# Altium PCB 400150.PcbDoc (part 2 of 3) (continued)
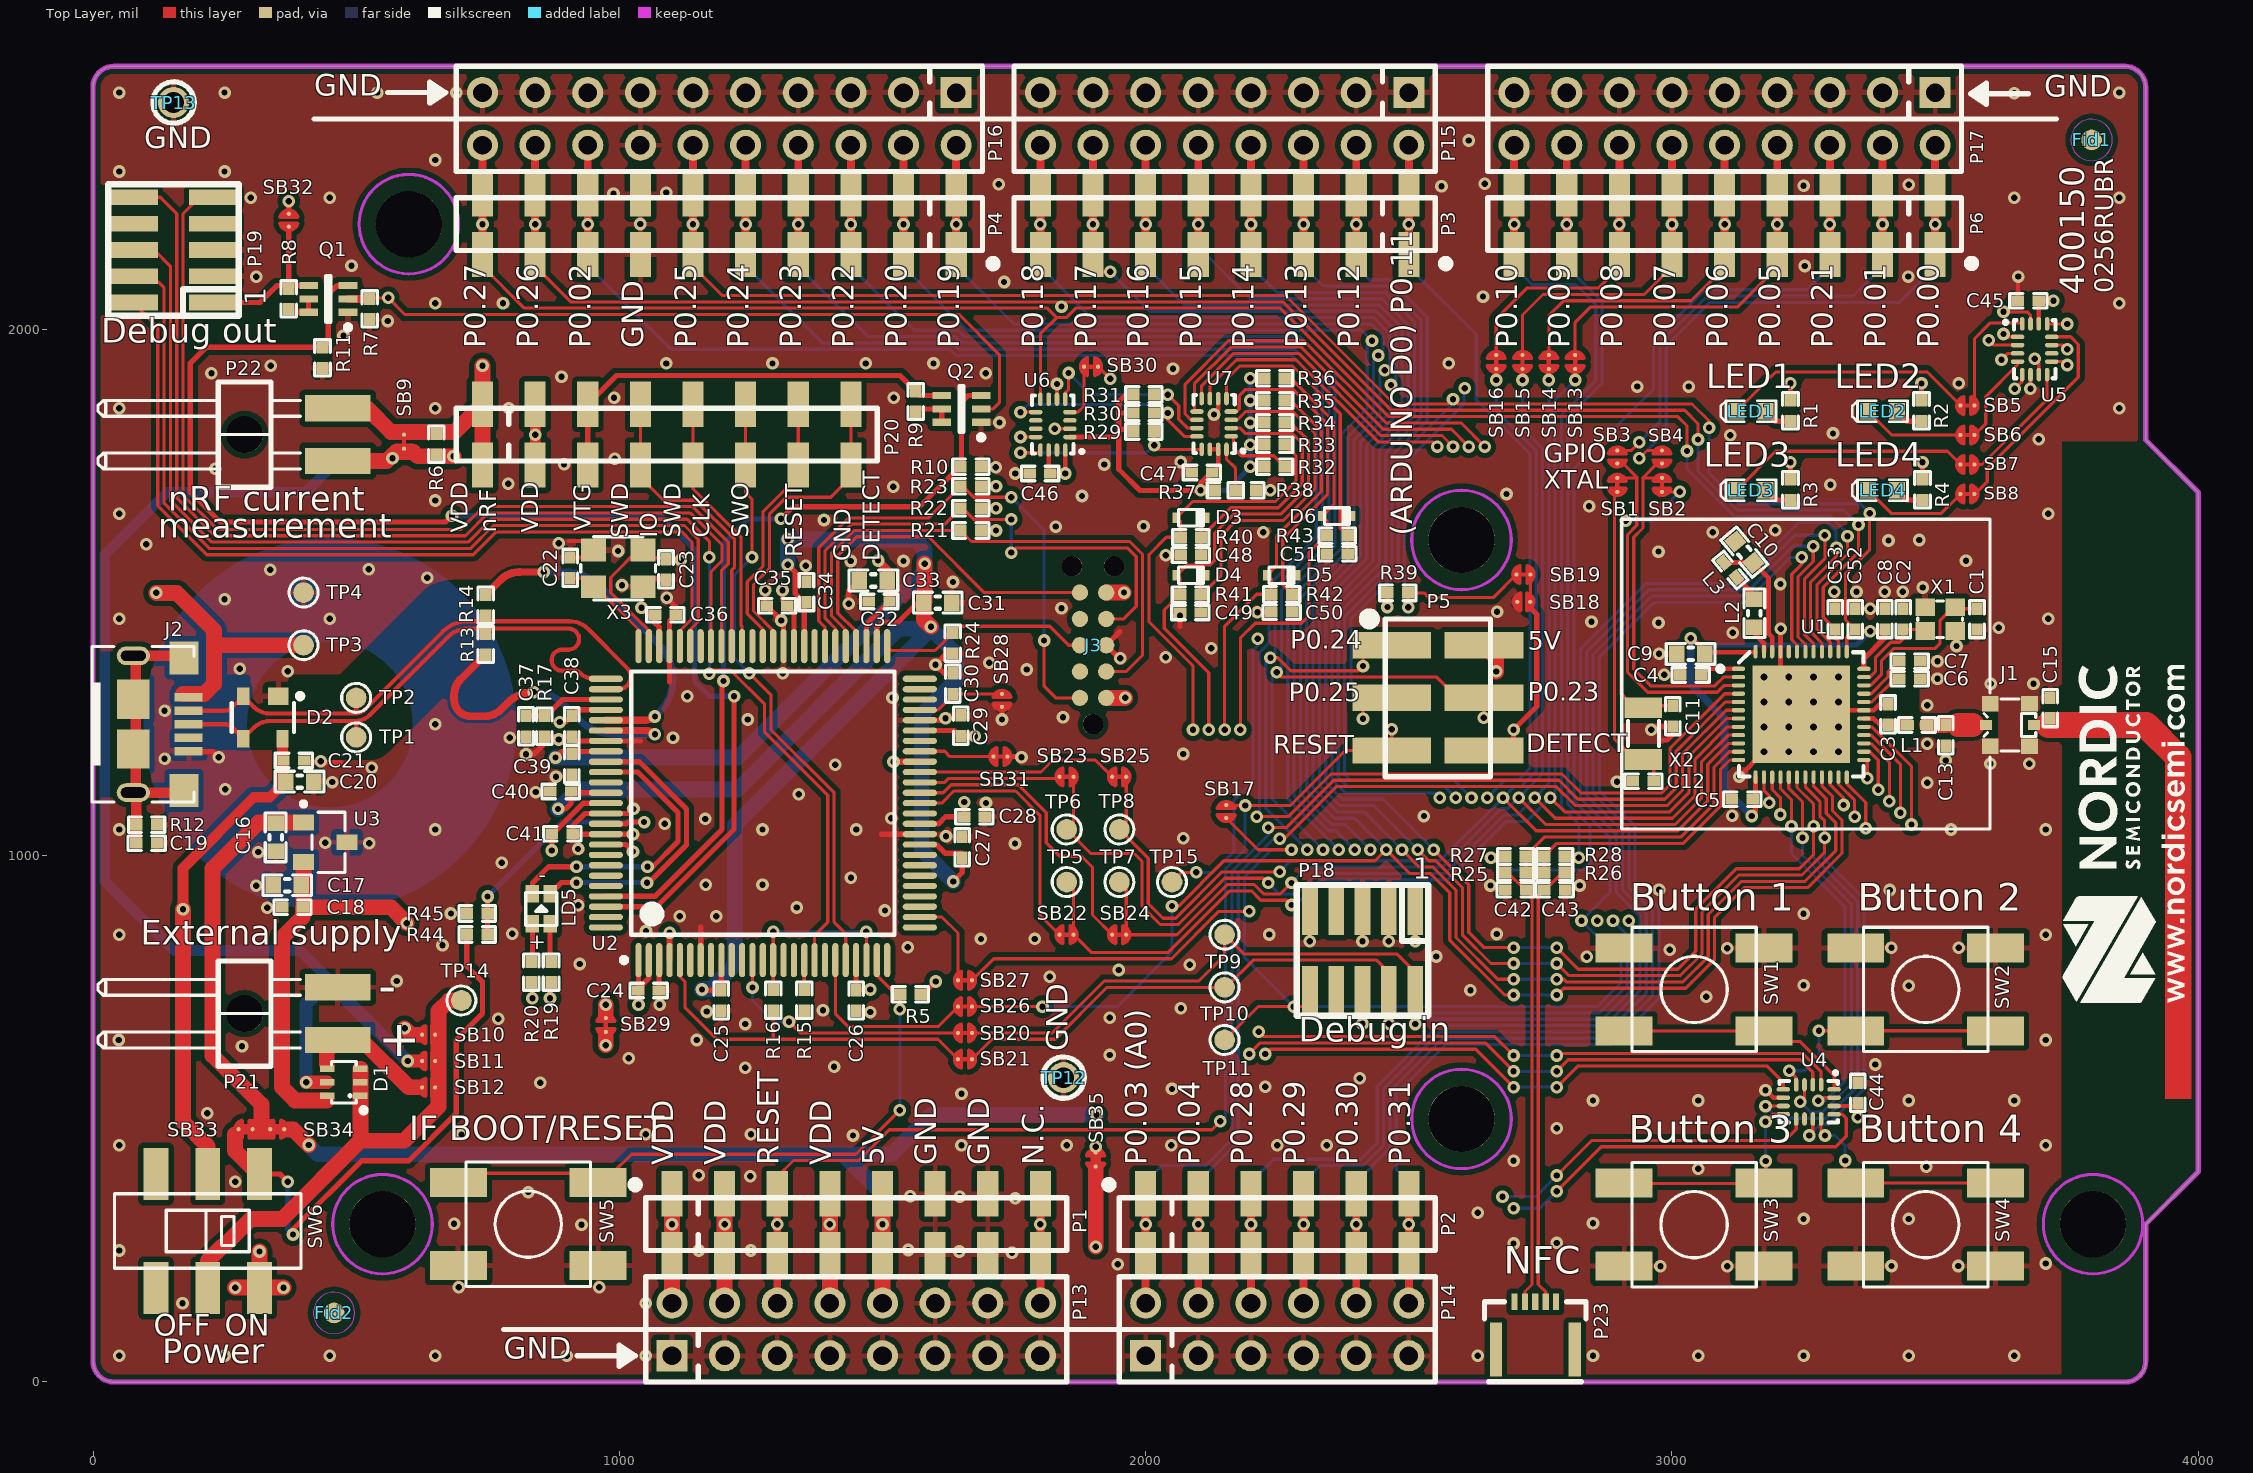
[diagram p0: Top Layer view]
## Nets (pads, with @x,y where several pads share a name; then routed paths per layer and width w, separated by ;. In a path a pad name is that pad's centre, name@x,y a point inside that pad or via, vN(x,y) a via of type N, cw(c..) or ccw(c..) an arc to the next point about the centre after c; other vN are vias at no path point) (continued)
  Bottom Layer w6: v1(1744.69,1680.6) 1807,1618.29 v1(1807,1408.6)
IMCU_RTS: SB24.2 U2.39 | length 576.5
  Top Layer w6: U2.39@1570.83,1119.28 1615.26,1119.28 1630.63,1134.65 1758,1134.65 1811.05,1081.59 1811.05,1024.55 1837,998.6 1878,998.6 1899,977.6 1899,887.01 SB24.2@1936.4,849.6
IMCU_RxD: SB23.2 U2.40 | length 268.7
  Top Layer w6: U2.40@1570.83,1138.97 1617.98,1138.97 1625.66,1146.65 SB23.2@1836.4,1146.65
IMCU_TCKS: J3.4 R22.1 U2.56 | length 1057.3
  Top Layer w6: U2.56@1410.4,1397.83 1410.4,1431.3 1391,1450.7 1391,1579.54 1441.06,1629.6 1618.16,1629.6 R22.1@1648.16,1659.6 1652.16,1659.6 1673.16,1638.6 v1(1744.69,1638.6) ; v1(1744.69,1575.6) 1753.69,1584.6 1965.03,1584.6 1982,1567.63 1982,1473.6 1958,1449.6 J3.4@1925,1449.6
  Bottom Layer w6: v1(1744.69,1575.6) v1(1744.69,1638.6)
IMCU_TDIS: J3.8 R24.1 U2.51 | length 403.5
  Top Layer w6: U2.51@1508.83,1397.83 1517.05,1389.6 1599.92,1389.6 R24.1@1633.61,1423.28 1645.92,1435.6 1818,1435.6 1854,1399.6 J3.8@1875,1399.6
IMCU_TDOS: J3.6 U2.54 | length 705
  Top Layer w6: U2.54@1449.77,1397.83 1449.77,1425.87 1415,1460.64 1415,1569.6 1451,1605.6 1587.48,1605.6 1693.48,1499.6 J3.6@1875,1499.6
IMCU_TMSS: J3.2 R21.1 U2.55 | length 1089.2
  Top Layer w6: U2.55@1430.09,1397.83 1430.09,1428.59 1403,1455.67 1403,1574.57 1446.03,1617.6 R21.1@1648.16,1617.6 1669.16,1596.6 1969.84,1596.6 ; J3.2@1925,1349.6 1963,1349.6 1994,1380.6 1994,1572.6 1969.92,1596.68
IMCU_TxD: SB25.2 U2.41 | length 388.3
  Top Layer w6: U2.41@1570.83,1158.65 1801.05,1158.65 1824,1181.6 1904.4,1181.6 SB25.2@1936.4,1149.6
INT_EXT: R31.1 U6.5 U7.11 | length 380.4
  Top Layer w6: U6.5@1847.24,1867 1847.24,1879.24 1853.52,1885.52 v1(1853.52,1916.77) ; R31.1@2016.31,1875.77 v1(2041.94,1875.77) 2062.94,1854.77 2062.94,1829 2079.81,1812.13 U7.11@2097.45,1812.13
  Bottom Layer w6: v1(1853.52,1916.77) 1894.52,1875.77 v1(2041.94,1875.77)
IOEXP_IRQ: SB30.2 U6.4 | length 106.3
  Top Layer w6: U6.4@1856.1,1842.39 1871.14,1842.39 1882.92,1854.17 SB30.2@1882.92,1928.77
LED1': SB5.1 U5.16 | length 229.6
  Top Layer w6: SB5.1@3574.5,1855 3574.5,1981.5 3605,2012 U5.16@3665,2012
LED1_EXT: U5.1 U7.7 | length 1744.6
  Top Layer w6: U7.7@2122.06,1868.23 2122.06,1891.38 2172.68,1942 2285.71,1942 2441.71,1786 2545,1786 v1(2554,1777) ; v1(3629.94,1991) 3635.32,1985.62 U5.1@3656.52,1985.62
  Mid-Layer 2 w6: v1(2554,1777) 2636,1859 2812,1859 2911,1958 3612,1958 3629.75,1975.75 v1@3629.75,1989.07
LED2': SB6.1 U5.4 | length 173.4
  Top Layer w6: SB6.1@3574.5,1799 3596,1820.5 3596,1871.71 3656.52,1932.23 U5.4@3656.52,1938.38
LED2_EXT: U5.5 U7.8 | length 1795
  Top Layer w6: U7.8@2106.31,1868.23 2106.31,1892.63 2167.68,1954 2290.68,1954 2446.68,1798 2563,1798 v1(2584,1777) ; v1(3651,1887) 3665.38,1901.38 U5.5@3665.38,1913.77
  Mid-Layer 2 w6: v1(2584,1777) 2654,1847 2816.97,1847 2915.97,1946 3575.2,1946 3634.2,1887 v1(3651,1887)
LED3': SB7.1 U5.8 | length 236.5
  Top Layer w6: SB7.1@3574.5,1743 3589,1743 3712.62,1866.62 U5.8@3712.62,1913.77
LED3_EXT: U5.9 U7.9 | length 1992.5
  Top Layer w6: U7.9@2092.53,1843.77 2092.53,1896.23 2162.31,1966 2295.65,1966 2451.65,1810 2581,1810 v1(2614,1777) ; U5.9@3721.48,1938.38 3744.62,1938.38 v1(3751,1932)
  Mid-Layer 2 w6: v1(2614,1777) 2672,1835 2821.94,1835 2920.94,1934 3570.23,1934 3638.23,1866 3722,1866 3751,1895 v1(3751,1932)
LED4': SB8.1 U5.12 | length 422.4
  Top Layer w6: SB8.1@3575.46,1686.54 3599,1710.07 3599,1736.03 3772,1909.03 3772,1971 3757.38,1985.62 U5.12@3721.48,1985.62
LED4_EXT: U5.13 U7.10 | length 2163
  Top Layer w6: U7.10@2097.45,1827.87 2085.89,1827.87 2074.94,1838.82 2074.94,1895.63 2157.31,1978 2300.62,1978 2456.62,1822 2599,1822 v1(2644,1777) ; U5.13@3712.62,2010.23 v1@3750.77,2010.23
  Mid-Layer 2 w6: v1(2644,1777) 2690,1823 2826.91,1823 2925.91,1922 3565.26,1922 3633.26,1854 3726.97,1854 3772,1899.03 3772,1989 v1(3751,2010)
NetBat1_1: Bat1.1 D1.5 SB11.2 | length 2110.2
  Top Layer w25: v1(405,569.19) D1.5@445.01,569.19 ; v1(598,609.6) 618.53,609.6
  Bottom Layer w20: Bat1.1@449.9,763.38 393.69,819.6 154,819.6 22,951.6 22,1571.6 141,1690.6 404.68,1690.6 Bat1.1@449.9,1735.82
  Bottom Layer w25: v1(405,569.19) 405,718.48 449.9,763.38 449.9,757.7 v1(598,609.6)
NetC3_2: C3.2 L1.1 U1.30 | length 86.6
  Top Layer w9: U1.30@3364.56,1260.29 3383.26,1260.29 3395.46,1248.09 C3.2@3410.78,1248.09
  Top Layer w20: C3.2@3410.46,1248.29 L1.1@3445.78,1248.29
NetC11_2: C11.2 SB2.1 X2.1 | length 602.3
  Top Layer w6: v1(2912,1636) 2903.46,1627.46 2903.46,1307.54 2929.94,1281.06 X2.1@2945.61,1281.06 2949.08,1284.53 C11.2@3001.61,1284.53 ; SB2.1@2981,1691 v1(3015,1691)
  Bottom Layer w6: v1(2912,1636) 2960,1636 v1(3015,1691)
NetC12_2: C12.2 SB1.1 X2.2 | length 592.5
  Top Layer w6: SB1.1@2896,1691 2891,1686 2891,1221 2929.37,1182.63 X2.2@2945.61,1182.63 2965.3,1162.95 C12.2@2965.3,1140.85
NetC17_2: C17.2 C18.2 D1.6 SB10.2 U3.2 | length 1003
  Top Layer w30: U3.2@400,987.8 400,902.92 C18.2@398.69,901.6 ; 444,534.6 384,534.6 359,559.6 359,843.6 398.68,883.28 C18.2@398.69,901.6 ; v1(592,671.6) 604,659.6 619,659.6 ; v1(596,871.6) 566,901.6 C18.2@398.69,901.6
  Mid-Layer 2 w30: v1(592,671.6) 619,698.6 619,848.6 v1(596,871.6)
NetC19_2: C19.2 J2.6@76.53,1119.68 J2.6@76.53,1202.36 J2.6@76.53,1296.84 J2.6@76.53,1379.52 J2.6@172.98,1123.62 J2.6@172.98,1375.58 R12.2 | length 552.4
  Top Layer w20: C19.2@82.16,1023.6 82.16,1119.05 J2.6@81.53,1119.68 ; J2.6@177.98,1123.62 174.05,1119.68 J2.6@81.53,1119.68 ; J2.6@177.98,1375.58 174.05,1379.52 81.53,1379.52 81.53,1296.84 81.53,1202.36 J2.6@81.53,1119.68
NetC30_2: C30.2 SB28.1 U2.47 | length 170
  Top Layer w6: U2.47@1570.83,1276.77 1605.68,1276.76 1633.61,1304.69 C30.2@1633.61,1306.91 1712.97,1306.91 1726.83,1306.91 SB28.1@1727,1307.09
NetC37_2: C37.2 R17.2 U2.78 | length 161.7
  Top Layer w10: C37.2@825.61,1265.28 860.61,1265.28 891.77,1296.45 U2.78@974.38,1296.45
NetD1_1: D1.1 D1.2 D1.3 SB10.1 SB11.1 SB12.1 SW6.2 TP14.1 | length 981.8
  Top Layer w30: SW6.2@218,178.33 218,229.99 245.52,257.51 247.91,257.51 300,309.6 359.6,309.6 508,458 ; D1.3@508,594.78 508,458 ; TP14.1@700,724.6 676.2,724.6 656.2,704.6 656.2,522.8 591.4,458 508,458
NetD1_4: D1.4 P21.2 SB12.2 | length 245.5
  Top Layer w30: 444,603.6 444,628.6 P21.2@465,649.6 510,649.6 600,559.6 618.53,559.6
NetD3_1: D3.1 R33.1 R40.2 U4.1 | length 2575
  Top Layer w6: v1(2090,1239) 2090,1360.29 2006.31,1443.98 2006.31,1571.77 2039.3,1604.77 2066.3,1604.77 2066.31,1634.13 D3.1@2058.66,1641.77 2089.66,1672.77 2246.62,1672.77 2285.62,1711.77 2285.62,1759.62 R33.1@2264.62,1780.62 ; v1(2215,665) 2224,656 2662.99,656 v1(2699,620) ; v1(2781,620) 2785,624 3248.69,624 3283.29,589.41 U4.1@3283.29,564.48
  Mid-Layer 2 w6: v1(2090,1239) 2117,1212 2117,864.85 2223,758.85 2223,674 2215,666 v1(2215,665)
  Bottom Layer w6: v1(2699,620) v1(2781,620)
NetD4_1: D4.1 R34.1 R41.2 U4.5 | length 2570
  Top Layer w6: R41.2@2064.75,1496.07 2035.31,1466.63 2035.31,1431.98 2120,1347.29 v1(2120,1239) ; R41.2@2065.39,1495.77 2065.39,1526.13 D4.1@2058.75,1532.77 2077.75,1551.77 2122.31,1551.77 2131.31,1560.77 2131.31,1612.77 2167.31,1648.77 2256.82,1648.77 2309.62,1701.57 2309.62,1787.96 2274.96,1822.62 R34.1@2264.62,1822.62 ; v1(2227,623) 2236,632 2626.99,632 v1(2699,560) ; v1(2781,560) 2821,600 3181.02,600 3211.44,569.58 U4.5@3211.44,555.62
  Mid-Layer 2 w6: v1(2120,1239) 2129,1230 2129,869.82 2236,762.82 2236,632 v1(2227,623)
  Bottom Layer w6: v1(2699,560) v1(2781,560)
NetD5_1: D5.1 R35.1 R42.2 U4.9 | length 2673.4
  Top Layer w6: v1(2150,1239) 2150,1435.69 2210.77,1496.47 R42.2@2238.62,1496.47 2238.62,1524.9 D5.1@2230.75,1532.77 2248.31,1550.33 2248.31,1606.31 2333.62,1691.63 2333.62,1806.74 2275.74,1864.62 R35.1@2264.62,1864.62 ; v1(2781,392) 2847.63,458.63 3215.02,458.63 3236.04,479.66 U4.9@3236.04,499.52
  Mid-Layer 2 w6: v1(2150,1239) 2141,1230 2141,874.79 2248,767.79 2248,492.03 2369.03,371 2658.99,371 v1(2678,352)
  Bottom Layer w6: v1(2678,352) 2741,352 v1(2781,392)
NetD6_1: D6.1 R36.1 R43.2 U4.13 | length 2917.8
  Top Layer w6: v1(2180,1239) 2180,1413.25 2208.21,1441.47 2295.77,1441.47 2310.31,1456 2310.31,1576 R43.2@2341.31,1607 ; R36.1@2264.62,1906.62 2275.74,1906.62 2357.62,1824.74 2357.62,1666.87 D6.1@2335.75,1645 2344.39,1636.35 R43.2@2344.39,1607.69 ; v1(2781,362) 2865.63,446.63 3311.02,446.63 3331.02,466.63 3331.02,500.63 3323.27,508.38 U4.13@3307.89,508.38
  Mid-Layer 2 w6: v1(2180,1239) 2153,1212 2153,879.76 2260,772.76 2260,497 2374,383 2680.99,383 2699,365 v1(2699,330)
  Bottom Layer w6: v1(2699,330) 2749,330 v1(2781,362)
NetL2_1: L2.1 L3.2 | length 55.2
  Top Layer w11: L3.2@3122.51,1528.03 3156.46,1494.08 L2.1@3156.46,1486.94
NetL2_2: L2.2 U1.47 | length 54
  Top Layer w9: L2.2@3156.46,1433.79 3156.46,1421.92 3174.6,1403.78 U1.47@3174.6,1387.25
NetLD5_1: LD5.1 R20.1 | length 71.8
  Top Layer w10: R20.1@834.87,798.28 LD5.1@834.87,870.06
NetLD5_2: LD5.2 R19.1 | length 71.8
  Top Layer w10: R19.1@868.34,798.28 LD5.2@868.34,870.06
NetLED1_1: LED1.1 SB5.2 | length 483.5
  Top Layer w6: LED1.1@3122.51,1843.99 3197.51,1918.99 3484.41,1918.99 SB5.2@3548.41,1854.99
NetLED1_2: LED1.2 R1.1 | length 55.2
  Top Layer w10: LED1.2@3177.51,1843.99 3196.19,1825.31 R1.1@3225.01,1825.31
NetLED2_1: LED2.1 SB6.2 | length 194.3
  Top Layer w6: LED2.1@3372.25,1844 3417.25,1799 SB6.2@3547.9,1799
NetLED2_2: LED2.2 R2.1 | length 54
  Top Layer w10: LED2.2@3427.25,1844 3445.94,1825.31 R2.1@3473.5,1825.31
NetLED3_1: LED3.1 SB7.2 | length 467.6
  Top Layer w6: LED3.1@3121.75,1693 3196.76,1768 3522.9,1768 ; 3523.41,1767.99 SB7.2@3548.41,1742.99
NetLED3_2: LED3.2 R3.1 | length 55
  Top Layer w10: LED3.2@3177.25,1694 3195.94,1675.31 R3.1@3224.5,1675.31
NetLED4_1: LED4.1 SB8.2 | length 208.9
  Top Layer w6: LED4.1@3372.51,1693.99 3416.5,1650 3510.9,1650 ; 3511.41,1649.99 SB8.2@3548.41,1686.99
NetLED4_2: LED4.2 R4.1 | length 55.7
  Top Layer w10: LED4.2@3427.51,1693.99 3446.19,1675.31 R4.1@3475.5,1675.31
NetP5_6: P5.6 P11.6 SB18.2 SB19.1 | length 396.7
  Top Layer w6: SB18.2@2731,1479.4 2731,1495.59 SB19.1@2731,1534
  Top Layer w10: P5.6@2699,1201.6 v1(2699,1239) 2743,1283 2743,1458.29 2732,1469.29 2732,1478.4 2735.6,1482
  Bottom Layer w10: P11.6@2699,1201.6 v1(2699,1239)
NetQ1_5: Q1.5 Q1.6 R8.2 | length 65.6
  Top Layer w10: R8.2@372,2037.91 377.91,2032.01 Q1.6@409.6,2032.01 Q1.5@409.6,2057.6
NetQ2_5: Q2.5 Q2.6 R9.2 | length 77.5
  Top Layer w10: R9.2@1563,1842.91 1568.69,1848.6 Q2.5@1612.6,1848.6 Q2.6@1612.6,1823.01
NetR32_1: R32.1 U7.1 | length 135.8
  Top Layer w6: U7.1@2166.89,1796.62 2166.89,1774.67 2181.94,1759.62 2243.61,1759.62 R32.1@2264.62,1738.62 R32.1@2265.77,1738.62
NetR37_1: R37.1 R38.2 U7.16 | length 85.2
  Top Layer w6: U7.16@2153.56,1771.77 2153.56,1753 2170.99,1735.57 R37.1@2170.99,1693.77
NetSB31_1: SB31.1 U2.43 | length 144
  Top Layer w6: U2.43@1570.83,1198.02 1617.98,1198.02 1628,1188 SB31.1@1710.7,1188
NFC1: C42.1 P23.2 R25.1 | length 846.6
  Top Layer w6: R25.1@2683.16,968.6 2687.16,968.6 2720.77,935 C42.1@2722.68,935 2734,923.68 2734,185 2720.68,171.68 P23.2@2720.68,152
NFC2: C43.2 P23.4 R26.1 | length 846.6
  Top Layer w6: P23.4@2760.05,152 2760.05,170.94 2746,185 2746,923.68 C43.2@2757.31,935 2758.92,935 2792.52,968.6 R26.1@2796.53,968.6
OB_LED1: LD5.4 U2.84 | length 556.7
  Top Layer w10: LD5.4@868.34,927.14 889.79,948.6 v1(918.61,948.6) ; U2.84@974.38,1178.34 1037.87,1178.34 1127.61,1088.6 1127.61,1020.07 1056.13,948.6 v1(1052.61,948.6)
  Bottom Layer w10: v1(918.61,948.6) v1(1052.61,948.6)
OB_LED2: LD5.3 U2.85 | length 554.4
  Top Layer w10: LD5.3@834.87,927.14 834.87,947.87 865.61,978.6 v1(918.61,978.6) ; U2.85@974.38,1158.65 1034.92,1158.65 1111.61,1081.97 1111.61,1026.7 1063.51,978.6 v1(1053.61,978.6)
  Bottom Layer w10: v1(918.61,978.6) v1(1053.61,978.6)
OB_RESET: SB27.2 U2.27 | length 174.9
  Top Layer w6: U2.27@1570.83,883.06 1613.09,883.06 1643.42,852.74 SB27.2@1643.42,763
OB_SWDCLK: R16.2 SB21.2 U2.5 | length 707.7
  Top Layer w6: U2.5@1115.13,801.37 1115.13,770.08 1124.61,760.6 1124.61,711.6 1185.21,651 1292.35,651 ; R16.2@1292.35,705.31 1292.35,651 ; SB21.2@1643.42,613 1605.42,651 1292.35,651
OB_SWDIO: R15.2 SB20.2 U2.12 | length 530.6
  Top Layer w6: v1(1252.92,749.37) U2.12@1252.92,801.37 ; R15.2@1351.35,705.31 1330.03,684 v1(1322.35,684) 1343.35,663 SB20.2@1643.42,663
  Bottom Layer w6: v1(1252.92,749.37) 1252.92,724.54 1293.46,684 v1(1322.35,684)
OB_SWO: SB26.2 U2.20 | length 360.7
  Top Layer w6: U2.20@1410.4,801.37 1410.4,699.61 1435.02,675 1605.42,675 SB26.2@1643.42,713
P0.00: P6.1 P12.1 P17.2 SB4.2 | length 1202.7
  Top Layer w6: v1(2938,1755) 2952.6,1769.6 SB4.2@2981,1769.6
  Top Layer w15: P6.1@3500,2141.92 v1(3500,2199.6) P6.1@3500,2257.28 P17.2@3500,2349.6
  Bottom Layer w6: v1(2938,1755) 2989,1806 2989,1968 3072,2051 3432,2051 3500,2119 P12.1@3500,2141.92
  Bottom Layer w15: P12.1@3500,2141.92 v1(3500,2199.6) P12.1@3500,2257.28
P0.01: P6.2 P12.2 P17.4 SB3.2 | length 1081.9
  Top Layer w6: SB3.2@2896,1769.6 2922.6,1769.6 v1(2938,1785)
  Top Layer w15: P6.2@3400,2141.92 v1(3400,2199.6) P6.2@3400,2257.28 P17.4@3400,2349.6
  Bottom Layer w6: v1(2938,1785) 2977,1824 2977,1972.97 3067.03,2063 3344,2063 3400,2119 P12.2@3400,2141.92
  Bottom Layer w15: P12.2@3400,2141.92 v1(3400,2199.6) P12.2@3400,2257.28
P0.02: P4.8 P10.8 P16.16 U1.4 | length 3822
  Top Layer w6: v1(2211,1074) 2271.12,1074 2352.12,1155 2791,1155 2827,1119 2981.01,1119 2996,1133.99 2996,1203.3 3100.23,1307.53 U1.4@3126.37,1307.53
  Top Layer w15: P4.8@940,2141.92 v1(940,2199.6) P4.8@940,2257.28 P16.16@940,2349.6
  Bottom Layer w6: P10.8@940,2141.92 940,2120 1098,1962 1628.06,1962 1640.06,1950 2277.71,1950 2324,1903.71 2324,1799 ; v1(2211,1074) 2216,1079 2216,1385 2234,1403 2234,1513.65 2324,1603.65 2324,1821.08
  Bottom Layer w15: P10.8@940,2119.6 v1(940,2199.6) P10.8@940,2257.28
P0.03: P2.1 P8.1 P14.2 U1.5 | length 2226.9
  Top Layer w6: v1(2233,1053) 2267.1,1053 2357.1,1143 2785.22,1143 2821.22,1107 2986.01,1107 3008,1128.99 3008,1198.3 3101.48,1291.78 U1.5@3126.37,1291.78
  Top Layer w15: P14.2@2000,149.6 P2.1@2000,241.92 v1(2000,299.6) P2.1@2000,357.28
  Bottom Layer w6: P8.1@2000,380.6 2030.23,410.83 2113.83,410.83 2164,461 2164,970 2233,1039 v1(2233,1053)
  Bottom Layer w15: P8.1@2000,241.92 v1(2000,299.6) P8.1@2000,380.6
P0.04: P2.2 P8.2 P14.4 U1.6 | length 2111.9
  Top Layer w6: v1(2255,1032) 2263.07,1032 2362.07,1131 2780.22,1131 2816.22,1095 2991.01,1095 3020,1123.99 3020,1193.3 3102.73,1276.03 U1.6@3126.37,1276.03
  Top Layer w15: P14.4@2100,149.6 P2.2@2100,241.92 v1(2100,299.6) P2.2@2100,357.28
  Bottom Layer w6: P8.2@2100,357.28 2100,380 2176,456 2176,965.03 2242.97,1032 v1(2255,1032)
  Bottom Layer w15: P8.2@2100,241.92 v1(2100,299.6) P8.2@2100,357.28
P0.05: SB13.2 SB22.1 TP5.1 U1.7 | length 2467.4
  Top Layer w6: TP5.1@1863,936.6 SB22.1@1863,849.6 1896.6,816 2043,816 2159.94,932.94 2201.06,932.94 2219,915 2268,915 v1(2277,906) ; v1(2769,1110) 2796,1083 2996.01,1083 3032,1118.99 3032,1188.18 3104.1,1260.29 U1.7@3126.37,1260.29 ; v1(2816,1903.4) SB13.2@2816,1924.4
  Bottom Layer w6: v1(2277,906) 2284,906 2332,954 2574,954 2685,1065 2724,1065 v1(2769,1110) 2778,1119 2778,1865.4 v1(2816,1903.4)
P0.06: SB14.2 SB23.1 TP6.1 U1.8 | length 2566.8
  Top Layer w6: TP6.1@1850,1049.6 1895.6,1004 1978,1004 1993,989 1993,904.03 2028.03,869 2061.97,869 2149.97,957 2224,957 v1(2233,948) ; TP6.1@1863,1062.6 SB23.1@1863,1149.6 ; v1(2739,1110) 2778,1071 3001.01,1071 3044,1113.99 3044,1183.21 3105.32,1244.54 U1.8@3126.37,1244.54 ; v1(2766,1903.4) SB14.2@2766,1924.4
  Bottom Layer w6: v1(2233,948) 2254,927 2286.68,927 2325.68,966 2569.03,966 2680.03,1077 2706,1077 v1(2739,1110) 2766,1137 v1(2766,1903.4)
P0.07: SB15.2 SB24.1 TP7.1 U1.9 | length 2353.9
  Top Layer w6: TP7.1@1963,936.6 SB24.1@1963,849.6 2059.6,849.6 2154.96,944.96 2206.04,944.96 2224,927 2256,927 v1(2277,948) ; v1(2709,1110) 2760,1059 3006.01,1059 3056,1108.99 3056,1178.24 3106.55,1228.79 U1.9@3126.37,1228.79 ; v1(2716,1903.4) SB15.2@2716,1924.4
  Bottom Layer w6: v1(2277,948) 2307,978 2564.06,978 2675.09,1089.03 2688,1089 v1(2709,1110) 2754,1155 2754,1774 2716,1812 v1(2716,1903.4)
P0.08: SB16.2 SB25.1 TP8.1 U1.10 | length 2492.9
  Top Layer w6: TP8.1@1949.75,1049.85 TP8.1@1950,1049.6 2005,994.6 2005,909 2033,881 2057,881 2145,969 v1(2255,969) ; TP8.1@1963,1063.1 SB25.1@1963,1149.6 ; v1(2666,1903.4) SB16.2@2666,1924.4 ; v1(2679,1110) 2742,1047 3011.01,1047 3068,1103.99 3068,1173.27 3107.77,1213.04 U1.10@3126.37,1213.04
  Bottom Layer w6: v1(2255,969) 2276,990 2559.09,990 v1@2679.04,1109.96 ; v1(2666,1903.4) 2666,1845 2742,1769 2742,1160.32 2712.68,1131 2700,1131 v1(2679,1110)
P0.09/NFC1: R25.2 R27.2 U1.11 | length 557.8
  Top Layer w6: R25.2@2722.69,969 2722.69,1000.69 2757,1035 3016.68,1035 3080,1098.32 3080,1168.3 3108.99,1197.29 U1.11@3126.37,1197.29
P0.10/NFC2: R26.2 R28.2 U1.12 | length 515.7
  Top Layer w6: R26.2@2757.31,969 2757.31,999 2781.31,1023 3021.65,1023 3092,1093.35 3092,1163.33 3110.21,1181.55 U1.12@3126.37,1181.55
P0.11: P3.1 P9.1 P15.2 U1.14 | length 2146.5
  Top Layer w6: U1.14@3174.6,1149.07 3174.6,1124.27 3185,1113.87 v1(3185,1100.03)
  Top Layer w15: P3.1@2500,2141.92 v1(2500,2199.6) P3.1@2500,2257.28 P15.2@2500,2349.6
  Mid-Layer 2 w6: v1(2649,1110) 2706,1053 3164.03,1053 3185,1073.97 v1(3185,1100.03)
  Bottom Layer w6: P9.1@2500,2118 2628,1990 2628,1865.82 2730,1763.82 2730,1165.29 2707.71,1143 2682,1143 v1(2649,1110)
  Bottom Layer w15: P9.1@2500,2118 v1(2500,2199.6) P9.1@2500,2257.28
P0.12: P3.2 P9.2 P15.4 U1.15 | length 2468.2
  Top Layer w6: U1.15@3190.35,1149.07 3190.35,1125.52 3206,1109.87 v1(3206,1078)
  Top Layer w15: P3.2@2400,2141.92 v1(2400,2199.6) P3.2@2400,2257.28 P15.4@2400,2349.6
  Mid-Layer 2 w6: v1(2619,1110) 2688,1041 3169,1041 v1(3206,1078)
  Bottom Layer w6: v1(2619,1110) 2586,1143 2389,1143 2378,1154 2378,1454 2468,1544 2468,1760.16 2535,1827.16 2535,2022.94 2463.94,2094 2425,2094 P9.2@2400,2119 ; P9.2@2400,2119 P9.2@2400,2141.92 ; P9.2@2400,2119 P9.2@2400,2141.92 ; P9.2@2400,2119 P9.2@2400,2141.92
  Bottom Layer w15: P9.2@2400,2141.92 v1(2400,2199.6) P9.2@2400,2257.28
P0.13: P3.3 P9.3 P15.6 U1.16 U4.15 | length 3193.7
  Top Layer w6: U1.16@3206.09,1149.07 3206.09,1126.77 3227,1105.87 v1(3227,1056) ; v1(3278,534) 3283.87,539.87 U4.15@3307.89,539.87
  Top Layer w15: P3.3@2300,2141.92 v1(2300,2199.6) P3.3@2300,2257.28 P15.6@2300,2349.6
  Mid-Layer 2 w6: v1(2589,1110) 2670,1029 3200,1029 v1(3227,1056)
  Bottom Layer w6: P9.3@2300,2141.92 2300,2119 2337,2082 2458.97,2082 2523,2017.97 2523,1832.14 2456,1765.14 2456,1548.97 2366,1458.97 2366,1149 2384,1131 2568,1131 v1(2589,1110) ; v1(3227,1056) 3227,1003.82 3329,901.82 3329,572 3291,534 v1(3278,534)
  Bottom Layer w15: P9.3@2300,2141.92 v1(2300,2199.6) P9.3@2300,2257.28
P0.14: P3.4 P9.4 P15.8 U1.17 U4.3 | length 3383.4
  Top Layer w6: U1.17@3221.84,1149.07 3221.84,1128.02 3248,1101.87 v1(3248,1034) ; v1(3243.66,532) 3251.79,540.13 U4.3@3251.79,564.48
  Top Layer w15: P3.4@2200,2141.92 v1(2200,2199.6) P3.4@2200,2257.28 P15.8@2200,2349.6
  Mid-Layer 2 w6: v1(2559,1110) 2652,1017 3231,1017 v1(3248,1034)
  Bottom Layer w6: P9.4@2200,2141.92 2200,2119 2249,2070 2454,2070 2511,2013 2511,1837.11 2444,1770.11 2444,1553.94 2354,1463.94 2354,1144 2379,1119 2550,1119 v1(2559,1110) ; v1(3243.66,532) 3262.66,513 3287,513 3341,567 3341,907.13 3248,1000.13 v1(3248,1034)
  Bottom Layer w15: P9.4@2200,2141.92 v1(2200,2199.6) P9.4@2200,2257.28
P0.15: P3.5 P9.5 P15.10 U1.18 U4.7 | length 3908.2
  Top Layer w6: v1(2547,1011) 2613.75,944.25 2613.75,854.25 2643,825 v1(2699,825) ; v1(2781,825) 2821.99,784 3011,784 3045,818 3045,897.91 3122.09,975 3242,975 3269,1002 v1(3269,1056) 3269,1097.87 3237.59,1129.28 U1.18@3237.59,1149.07 ; v1@3177.79,524.13 U4.7@3211.44,524.13
  Top Layer w15: P3.5@2100,2141.92 v1(2100,2199.6) P3.5@2100,2257.28 P15.10@2100,2349.6
  Bottom Layer w6: P9.5@2100,2141.92 2114.66,2141.92 2198.58,2058 2449.03,2058 2499,2008.03 2499,1842.08 2432,1775.08 2432,1558.91 2342,1468.91 2342,1138.73 2373.73,1107 2451,1107 v1(2547,1011) ; v1(2699,825) v1(2781,825) ; v1(3177.66,524) 3200.66,501 3292,501 3353,562 3353,912.39 3269,996.39 v1(3269,1056)
  Bottom Layer w15: P9.5@2100,2141.92 v1(2100,2199.6) P9.5@2100,2257.28
P0.16: P3.6 P9.6 P15.12 U1.19 U4.11 | length 3953.1
  Top Layer w6: v1(2517,1011) 2538,990 2551.03,990 2601.75,939.28 2601.75,849.28 2656.03,795 v1(2699,795) ; v1(2781,795) 2803.99,772 3015.97,772 3057,813.03 3057,892.94 3127.06,963 3246.97,963 3290,1006.03 v1(3290,1034) 3290,1066 3281,1075 3281,1102.84 3253.34,1130.5 U1.19@3253.34,1149.07 ; v1(3260.66,468) 3267.54,474.88 U4.11@3267.54,499.52
  Top Layer w15: P3.6@2000,2141.92 v1(2000,2199.6) P3.6@2000,2257.28 P15.12@2000,2349.6
  Bottom Layer w6: P9.6@2000,2141.92 2000,2119.6 2073.6,2046 2444.06,2046 2487,2003.06 2487,1847.05 2420,1780.05 2420,1563.88 2330,1473.88 2330,1133.76 2368.76,1095 2433,1095 v1(2517,1011) ; v1(2699,795) v1@2771,795 ; v1(3260.66,468) 3281.66,489 3297,489 3365,557 3365,917.48 3290,992.48 v1(3290,1034)
  Bottom Layer w15: P9.6@2000,2141.92 v1(2000,2199.6) P9.6@2000,2257.28
P0.17: P3.7 P9.7 P15.14 SB30.1 U1.20 U5.15 | length 4954
  Top Layer w6: P3.7@1908,2109 v1(1933,2109) ; SB30.1@1909.52,1928.77 1909.94,1928.77 v1(1932.94,1905.77) ; v1(2487,1011) 2520,978 2546,978 2589.71,934.29 2589.71,844.29 2669,765 v1(2699,765) ; v1(2781,765) 2794,765 2798.99,760 3020.94,760 3069,808.06 3069,887.97 3132.03,951 3252.68,951 3311,1009.32 3311,1062.03 3293,1080.03 3293,1107.81 3269.09,1131.72 U1.20@3269.09,1149.07 ; v1(3629.94,2033) 3675,2033 3681.13,2026.87 U5.15@3681.13,2010.23
  Top Layer w15: P3.7@1900,2141.92 P3.7@1900,2257.28 P15.14@1900,2349.6
  Mid-Layer 2 w6: v1(1932.94,1905.77) v1(1933,2109) ; v1(2466,1894) 2554,1982 3566,1982 3617,2033 v1(3629.94,2033)
  Bottom Layer w6: P9.7@1900,2141.92 1900,2118 1909,2109 v1(1933,2109) 2008,2034 2437.94,2034 2475,1996.94 2475,1903 v1(2466,1894) 2466,1843.32 2408,1785.32 2408,1568.85 2318,1478.85 2318,1128.79 2363.79,1083 2415,1083 v1(2487,1011) ; v1(2699,765) v1@2771,765
  Bottom Layer w15: P9.7@1900,2141.92 v1(1900,2199.6) P9.7@1900,2257.28
P0.18: P3.8 P9.8 P15.16 P18.6 SB26.1 U1.21 U5.3 | length 6304.4
  Top Layer w6: SB26.1@1670.02,713 v1(1804.02,713) ; v1(2050,904) 2062.68,904 2148.68,990 2435.7,990 2456.7,1011 v1(2457,1011) 2502,966 2541,966 2577.71,929.29 2577.71,839.28 2682,735 v1(2699,735) ; v1(2412,680.23) P18.6@2412,743 ; v1(2781,735) 2794,748 3025.91,748 3081,803.09 3081,883 3137,939 3257.65,939 3323,1004.35 3323,1067 3305,1085 3305,1112.78 3284.83,1132.94 U1.21@3284.83,1149.07 ; v1(3626,1942) 3638.13,1954.13 U5.3@3656.52,1954.13
  Top Layer w15: P3.8@1800,2141.92 v1(1800,2199.6) P3.8@1800,2257.28 P15.16@1800,2349.6
  Mid-Layer 2 w6: v1(2412,680.23) 2433,701.23 2665.23,701.23 v1(2699,735) ; v1(2454,1922) 2526,1994 3561,1994 3621.07,2054.07 3658.99,2054.07 3677,2036.06 3677,1993 v1(3626,1942)
  Bottom Layer w6: P9.8@1800,2141.92 1800,2118.6 1896.6,2022 2432.97,2022 2463,1991.97 2463,1931 v1(2454,1922) 2445,1913 2445,1839.32 2396,1790.32 2396,1573.82 2306,1483.82 2306,1123.82 2358.82,1071 2397,1071 v1(2457,1011) ; v1(1804.02,713) 1946,713 2050,817 v1(2050,904) ; v1(2699,735) v1@2771,735
  Bottom Layer w15: P9.8@1800,2141.92 v1(1800,2199.6) P9.8@1800,2257.28
P0.19: P4.1 P10.1 P16.2 U1.22 U5.7 | length 4897.1
  Top Layer w6: P4.1@1640,2119.77 P4.1@1640,2141.92 ; U1.22@3300.58,1149.07 3300.58,1134.17 3326,1108.75 v1(3326,1096) ; v1(3689,1944) 3696.87,1936.13 U5.7@3696.87,1913.77
  Top Layer w15: P4.1@1640,2141.92 v1(1640,2199.6) P4.1@1640,2257.28 P16.2@1640,2349.6
  Mid-Layer 2 w6: v1(2427,1011) 2517,921 2858.33,921 2942.33,1005 3310,1005 3326,1021 v1(3326,1096) ; v1(2442,1950) 2498,2006 3556.03,2006 3616.1,2066.07 3663.96,2066.07 3689,2041.03 v1(3689,1944)
  Bottom Layer w6: P10.1@1640,2141.92 1640,2119.77 1749.77,2010 2428,2010 2451,1987 2451,1959 v1(2442,1950) 2433,1941 2433,1844.32 2384,1795.32 2384,1578.79 2294,1488.79 2294,1117.82 2352.82,1059 2379,1059 v1(2427,1011)
  Bottom Layer w15: P10.1@1640,2141.92 v1(1640,2199.6) P10.1@1640,2257.28
P0.20: P4.2 P10.2 P16.4 U1.23 U5.11 | length 5041.8
  Top Layer w6: P4.2@1540,2118.6 P4.2@1540,2141.92 ; U1.23@3316.33,1149.07 3316.33,1135.39 3347,1104.72 v1(3347,1074) ; U5.11@3721.48,1969.87 3743.13,1969.87 v1(3751,1962)
  Top Layer w15: P4.2@1540,2141.92 v1(1540,2199.6) P4.2@1540,2257.28 P16.4@1540,2349.6
  Mid-Layer 2 w6: v1(2397,1011) 2499,909 2863.31,909 2947.31,993 3314.97,993 3347,1025.03 v1(3347,1074) ; v1(2430,1978) 2470,2018 3551.06,2018 3611.13,2078.07 3668.93,2078.07 3701,2046 3701,2012 v1(3751,1962)
  Bottom Layer w6: P10.2@1540,2141.92 1540,2118.6 1660.6,1998 2410,1998 v1(2430,1978) 2421,1969 2421,1850 2372,1801 2372,1583.76 2282,1493.76 2282,1112.85 2347.85,1047 2361,1047 v1(2397,1011)
  Bottom Layer w15: P10.2@1540,2141.92 v1(1540,2199.6) P10.2@1540,2257.28